# KiCad board IO256.kicad_pcb (continued)
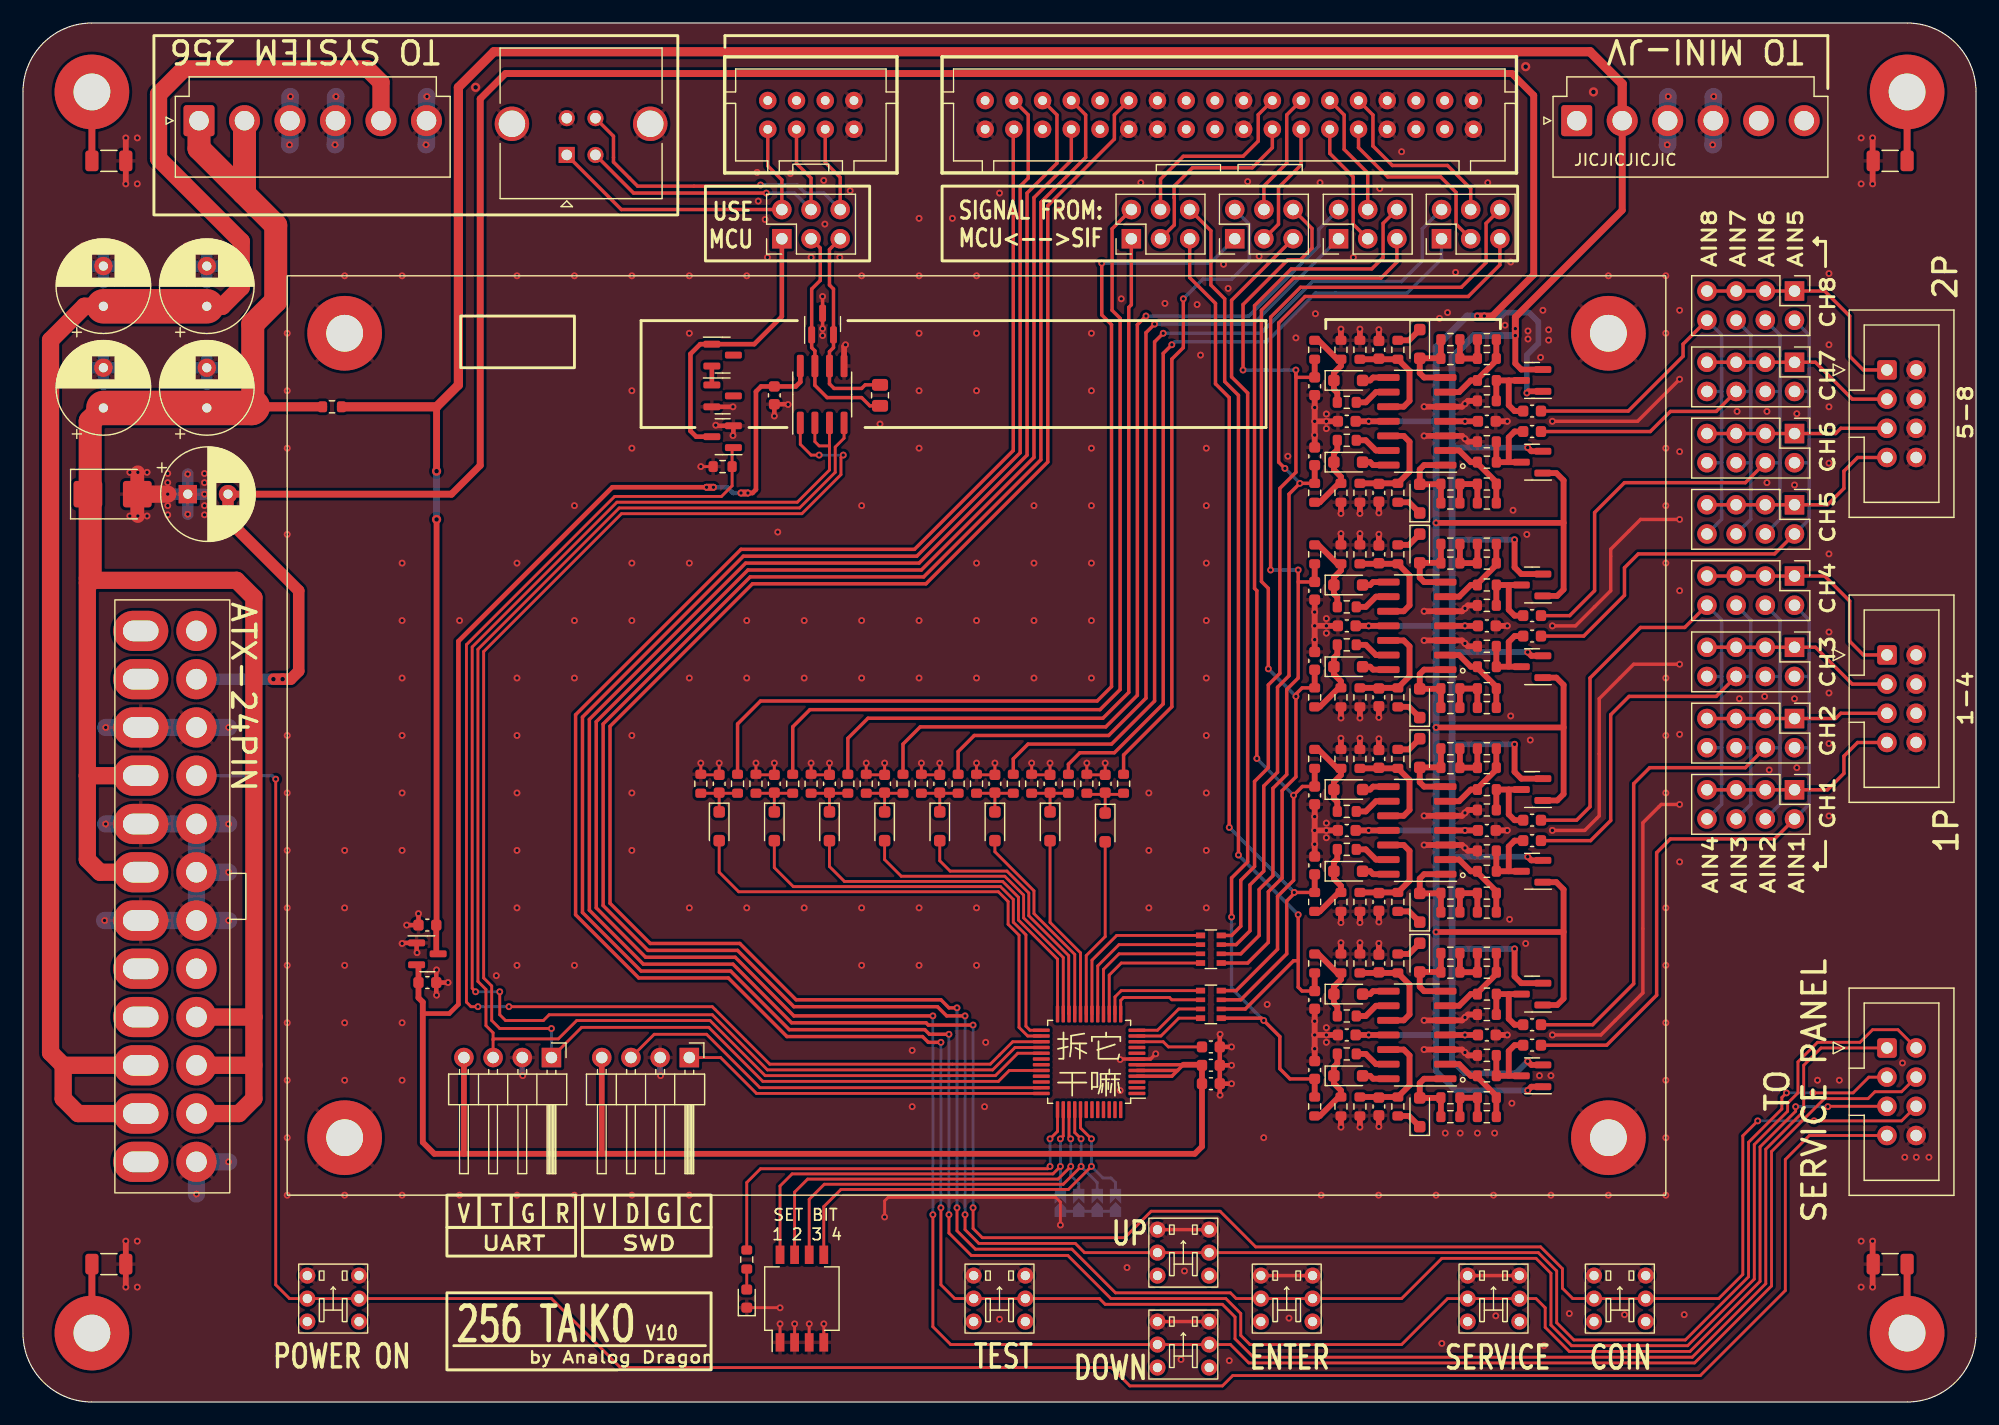
[diagram p0: board, top side]
## Footprints (pads in the part's own frame, mm; a bottom-side part is the same pattern mirrored in y, then rotated) (continued)
  round 6.5 hole 3.2: 1(-1,-1)
MountingHole_3.2mm_M3_DIN965_Pad#4
  round 6.5 hole 3.2: 1(1,1)
MountingHole_3.2mm_M3_DIN965_Pad#5
  round 6.5 hole 3.2: 1(1,-1)
PinHeader_1x04_P2.54mm_Horizontal
  rect 1.7x1.7 hole 1: 1(0,0)
  oval 1.7x1.7 hole 1: 2(0,-2.54) 3(0,-5.08) 4(0,-7.62)
PinHeader_2x03_P2.54mm_Vertical
  rect 1.7x1.7 hole 1: 1(0,0)
  oval 1.7x1.7 hole 1: 2(2.54,0) 3(0,-2.54) 4(2.54,-2.54) 5(0,-5.08) 6(2.54,-5.08)
PinHeader_2x04_P2.54mm_Vertical
  rect 1.7x1.7 hole 1: 1(0,0)
  oval 1.7x1.7 hole 1: 2(2.54,0) 3(0,-2.54) 4(2.54,-2.54) 5(0,-5.08) 6(2.54,-5.08) 7(0,-7.62) 8(2.54,-7.62)
R_0603_1608Metric
  rrect 0.8x0.95 smd: 1(-0.825,0) 2(0.825,0)
R_0805_2012Metric
  rrect 1.025x1.4 smd: 1(-0.912,0) 2(0.912,0)
R_Array_Convex_4x0603
  rect 0.8x0.5 smd: 1(-0.9,1.2) 4(-0.9,-1.2) 5(0.9,-1.2) 8(0.9,1.2)
  rect 0.8x0.4 smd: 2(-0.9,0.4) 3(-0.9,-0.4) 6(0.9,-0.4) 7(0.9,0.4)
SO-14_3.9x8.65mm_P1.27mm
  rrect 1.95x0.6 smd: 1(-2.475,3.81) 2(-2.475,2.54) 3(-2.475,1.27) 4(-2.475,0) 5(-2.475,-1.27) 6(-2.475,-2.54) 7(-2.475,-3.81) 8(2.475,-3.81) 9(2.475,-2.54) 10(2.475,-1.27) 11(2.475,0) 12(2.475,1.27) 13(2.475,2.54) 14(2.475,3.81)
SOIC-8_3.9x4.9mm_P1.27mm
  rrect 1.95x0.6 smd: 1(-2.475,1.905) 2(-2.475,0.635) 3(-2.475,-0.635) 4(-2.475,-1.905) 5(2.475,-1.905) 6(2.475,-0.635) 7(2.475,0.635) 8(2.475,1.905)
SOT-23
  rrect 1.475x0.6 smd: 1(-0.938,0.95) 2(-0.938,-0.95) 3(0.938,0)
SW_DIP_SPSTx04_Slide_Copal_CHS-04B_W7.62mm_P1.27mm
  rect 1.6x0.76 smd: 1(-3.81,1.905) 2(-3.81,0.635) 3(-3.81,-0.635) 4(-3.81,-1.905) 5(3.81,-1.905) 6(3.81,-0.635) 7(3.81,0.635) 8(3.81,1.905)
switch_6x6
  round 1.4 hole 0.8: 1(-2,-2.25) 2(0,-2.25) 3(2,-2.25) 4(-2,2.25) 5(0,2.25) 6(2,2.25)
USB_B_TE_5787834_Vertical
  rect 1.4x1.4 hole 0.92: 1(0,0)
  round 1.4 hole 0.92: 2(-2.5,0) 3(-2.5,-3.2) 4(0,-3.2)
  round 3 hole 2.3: 5(-7.27,-2.71) 5(4.77,-2.71)

## Nets
+3.3V: C13.1 C39.1 C42.1 C56.1 J17.4 J21.4 U1.2 U2.8 U6.4 U6.5 U6.6
+5V: C2.1 C36.2 C38.2 C44.2 C46.2 D10.2 D11.2 D12.2 D13.2 D23.2 D24.2 D25.2 D26.2 FB1.2 J3.2 U1.3 U3.4 U4.4 U5.4 U7.4
+5VP: C49.1 C50.1 D37.1 FB1.1 J6.4 J6.6 J6.21 J6.22 J6.23 J103.1 J103.2
+12V: C14.1 C48.1 J6.10 J6.11 J103.5
-12V: C37.1 C43.1 C45.1 C47.1 C51.2 D10.1 D11.1 D12.1 D13.1 D23.1 D24.1 D25.1 D26.1 J6.14 U3.11 U4.11 U5.11 U7.11
GND: C2.2 C6.1 C7.1 C8.1 C9.1 C10.1 C11.1 C12.1 C13.2 C14.2 C15.1 C17.1 C18.1 C19.1 C20.1 C24.1 C25.1 C26.1 C27.2 C28.2 C29.2 C30.2 C31.2 C32.2 C33.2 C34.2 C35.1 C36.1 C37.2 C38.1 C39.2 C40.2 C42.2 C43.2 C44.1 C45.2 C46.1 C47.2 C48.2 C49.2 C50.2 C51.1 C52.2 C53.2 C54.2 C55.2 C56.2 D5.3 D15.1 D35.2 D37.2 H1.1 J1.7 J1.8 J3.3 J3.4 J4.2 J4.12 J4.13 J4.14 J4.19 J4.20 J4.29 J4.30 J4.35 J4.36 J5.8 J6.3 J6.5 J6.7 J6.15 J6.17 J6.18 J6.19 J6.24 J7.2 J7.4 J7.6 J7.8 J8.2 J8.4 J8.6 J8.8 J17.2 J21.2 J102.4 J102.5 J103.3 J103.4 J103.6 JP1.1 JP2.1 JP3.1 JP4.1 Q2.2 R1.2 R2.1 R3.1 R4.1 R5.1 R6.2 R12.2 R13.2 R14.2 R15.1 R16.1 R17.1 R18.1 R56.1 R57.1 R58.1 R59.1 R64.2 R65.2 R66.2 R67.2 R68.2 R69.2 R70.2 R71.2 R96.1 R97.1 R98.1 R99.1 R104.2 R105.2 R106.2 R107.2 SW1.3 SW1.6 SW2.3 SW2.6 SW3.3 SW3.6 SW4.3 SW4.6 SW5.3 SW5.6 SW6.3 SW6.6 SW7.1 SW7.2 SW7.3 SW7.4 SW8.3 SW8.6 U1.1 U2.5 U3.3 U3.5 U4.3 U4.5 U5.3 U5.5 U6.7 U7.3 U7.5
1P_LEFT: J4.9
1P_RIGHT: J4.10
1P_START: J4.6
485_D+: J1.6 J22.6 J102.3
485_D-: J1.4 J22.4 J102.2
/JV PCB/485+: D5.2 J22.5 R11.2 U2.6
/JV PCB/485-: D5.1 J22.3 R11.1 U2.7
/JV PCB/SENSE: D36.1 J22.1 Q2.3
ADC1: C30.1 J19.5 R29.2 RN1.5
ADC2: C28.1 J18.6 R30.2 RN1.6
ADC3: C34.1 J18.5 R27.2 RN1.7
ADC4: C32.1 J20.6 R28.2 RN1.8
ADC5: C29.1 J20.5 R25.2 RN2.5
ADC6: C27.1 J23.6 R26.2 RN2.6
ADC7: C33.1 J23.5 R23.2 RN2.7
ADC8: C31.1 J19.6 R24.2 RN2.8
AIN0: C22.1 J9.2 J10.2 J11.2 J12.2
AIN1: C23.1 J9.4 J10.4 J11.4 J12.4
AIN2: C16.1 J9.6 J10.6 J11.6 J12.6
AIN3: C21.1 J9.8 J10.8 J11.8 J12.8
AIN4: C4.1 J13.2 J14.2 J15.2 J16.2
AIN5: C5.1 J13.4 J14.4 J15.4 J16.4
AIN6: C1.1 J13.6 J14.6 J15.6 J16.6
AIN7: C3.1 J13.8 J14.8 J15.8 J16.8
AN0: J4.24 J19.3
AN1: J4.21 J18.4
AN2: J4.22 J18.3
AN3: J4.25 J20.4
AN4: J4.26 J20.3
AN5: J4.27 J23.4
AN6: J4.28 J23.3
AN7: J4.23 J19.4
C.CNT1: J4.1
CH1: J7.7 J9.1 J9.3 J9.5 J9.7
CH2: J7.5 J10.1 J10.3 J10.5 J10.7
CH3: J7.3 J12.1 J12.3 J12.5 J12.7
CH4: J7.1 J11.1 J11.3 J11.5 J11.7
CH5: J8.7 J16.1 J16.3 J16.5 J16.7
CH6: J8.5 J15.1 J15.3 J15.5 J15.7
CH7: J8.3 J14.1 J14.3 J14.5 J14.7
CH8: J8.1 J13.1 J13.3 J13.5 J13.7
COIN1: J4.5 J5.6 SW3.2 SW3.5
DE: U2.2 U2.3 U6.28
ENTER: J4.11 J5.2 SW5.2 SW5.5
GOUT0: J4.15
GOUT1: J4.16
GOUT2: J4.17
GOUT3: J4.18
GOUT4: J4.31
GOUT5: J4.32
GOUT6: J4.33
GOUT7: J4.34
MCU1: D9.2 U6.26
MCU2: D8.2 U6.25
MCU3: D7.2 U6.24
MCU4: D6.2 U6.23
MCU5: D4.2 U6.22
MCU6: D3.2 U6.21
MCU7: D2.2 U6.20
MCU8: D1.2 U6.19
O1: J19.1 R22.1
O2: J18.2 R21.1
O3: J18.1 R20.1
O4: J20.2 R19.1
O5: J20.1 R10.1
O6: J23.2 R9.1
O7: J23.1 R8.1
O8: J19.2 R7.1
OPA1: D33.1 R29.1 R102.1 R106.1
OPA2: D34.1 R30.1 R103.1 R107.1
OPA3: D31.1 R27.1 R100.1 R104.1
OPA4: D32.1 R28.1 R101.1 R105.1
OPA5: D21.1 R25.1 R62.1 R66.1
OPA6: D22.1 R26.1 R63.1 R67.1
OPA7: D19.1 R23.1 R60.1 R64.1
OPA8: D20.1 R24.1 R61.1 R65.1
PW_ON: J5.7 J6.16 SW8.2 SW8.5
PWG: J6.8
RXD: J17.1 U2.1 U6.32
SEL_DOWN: J4.8 J5.4 SW6.2 SW6.5
SEL_UP: J4.7 J5.3 SW4.2 SW4.5
SENSE: J1.2 J22.2 J102.1
SENSE_IO: Q2.1 R12.1 U6.27
SERVICE: J4.3 J5.5 SW2.2 SW2.5
SET1: JP1.2 SW7.8 U6.38
SET2: JP2.2 SW7.7 U6.39
SET3: JP3.2 SW7.6 U6.40
SET4: JP4.2 SW7.5 U6.41
STA: R35.2 U6.37
SWCLK: J21.1 U6.36
SWDIO: J21.3 U6.35
TEST: J4.4 J5.1 SW1.2 SW1.5
TXD: J17.3 U2.4 U6.29
Net-(C1-Pad2): C1.2 D10.3 R1.1 R31.1
Net-(C3-Pad2): C3.2 D11.3 R6.1 R32.1
Net-(C4-Pad2): C4.2 D12.3 R13.1 R33.1
Net-(C5-Pad2): C5.2 D13.3 R14.1 R34.1
Net-(C16-Pad2): C16.2 D23.3 R68.1 R72.1
Net-(C21-Pad2): C21.2 D24.3 R69.1 R73.1
Net-(C22-Pad2): C22.2 D25.3 R70.1 R74.1
Net-(C23-Pad2): C23.2 D26.3 R71.1 R75.1
Net-(C52-Pad1): C52.1 H2.1
Net-(C53-Pad1): C53.1 H3.1
Net-(C54-Pad1): C54.1 H4.1
Net-(C55-Pad1): C55.1 H5.1
Net-(D1-K): C6.2 D1.1 R2.2 R7.2
Net-(D2-K): C7.2 D2.1 R3.2 R8.2
Net-(D3-K): C8.2 D3.1 R4.2 R9.2
Net-(D4-K): C9.2 D4.1 R5.2 R10.2
Net-(D6-K): C17.2 D6.1 R15.2 R19.2
Net-(D7-K): C18.2 D7.1 R16.2 R20.2
Net-(D8-K): C19.2 D8.1 R17.2 R21.2
Net-(D9-K): C20.2 D9.1 R18.2 R22.2
Net-(D14-A): D14.2 R44.2 R45.2 U3.1
Net-(D14-K): D14.1 R52.1
Net-(D15-A): D15.2 R35.1
Net-(D16-A): D16.2 R46.2 R47.2 U3.7
Net-(D16-K): D16.1 R53.1
Net-(D17-A): D17.2 R48.2 R49.2 U4.1
Net-(D17-K): D17.1 R54.1
Net-(D18-A): D18.2 R50.2 R51.2 U4.7
Net-(D18-K): D18.1 R55.1
Net-(D19-A): D19.2 U3.14
Net-(D20-A): D20.2 U3.8
Net-(D21-A): D21.2 U4.14
Net-(D22-A): D22.2 U4.8
Net-(D27-A): D27.2 R84.2 R85.2 U5.1
Net-(D27-K): D27.1 R92.1
Net-(D28-A): D28.2 R86.2 R87.2 U5.7
Net-(D28-K): D28.1 R93.1
Net-(D29-A): D29.2 R88.2 R89.2 U7.1
Net-(D29-K): D29.1 R94.1
Net-(D30-A): D30.2 R90.2 R91.2 U7.7
Net-(D30-K): D30.1 R95.1
Net-(D31-A): D31.2 U5.14
Net-(D32-A): D32.2 U5.8
Net-(D33-A): D33.2 U7.14
Net-(D34-A): D34.2 U7.8
Net-(D35-Pad1): D35.1 D36.2
Net-(R36-Pad2): R36.2 R37.2 R44.1 R45.1
Net-(R38-Pad2): R38.2 R39.2 R46.1 R47.1
Net-(R40-Pad2): R40.2 R41.2 R48.1 R49.1
Net-(R42-Pad2): R42.2 R43.2 R50.1 R51.1
Net-(R76-Pad2): R76.2 R77.2 R84.1 R85.1
Net-(R78-Pad2): R78.2 R79.2 R86.1 R87.1
Net-(R80-Pad2): R80.2 R81.2 R88.1 R89.1
Net-(R82-Pad2): R82.2 R83.2 R90.1 R91.1
Net-(RN1-R1.1): RN1.1 U6.14
Net-(RN1-R2.1): RN1.2 U6.13
Net-(RN1-R3.1): RN1.3 U6.12
Net-(RN1-R4.1): RN1.4 U6.11
Net-(RN2-R1.1): RN2.1 U6.18
Net-(RN2-R2.1): RN2.2 U6.17
Net-(RN2-R3.1): RN2.3 U6.16
Net-(RN2-R4.1): RN2.4 U6.15
Net-(U3A--): R31.2 R36.1 R37.1 U3.2
Net-(U3B--): R32.2 R38.1 R39.1 U3.6
Net-(U3C-+): C11.2 R53.2 R57.2 U3.10
Net-(U3C--): R61.2 U3.9
Net-(U3D-+): C10.2 R52.2 R56.2 U3.12
Net-(U3D--): R60.2 U3.13
Net-(U4A--): R33.2 R40.1 R41.1 U4.2
Net-(U4B--): R34.2 R42.1 R43.1 U4.6
Net-(U4C-+): C15.2 R55.2 R59.2 U4.10
Net-(U4C--): R63.2 U4.9
Net-(U4D-+): C12.2 R54.2 R58.2 U4.12
Net-(U4D--): R62.2 U4.13
Net-(U5A--): R72.2 R76.1 R77.1 U5.2
Net-(U5B--): R73.2 R78.1 R79.1 U5.6
Net-(U5C-+): C25.2 R93.2 R97.2 U5.10
Net-(U5C--): R101.2 U5.9
Net-(U5D-+): C24.2 R92.2 R96.2 U5.12
Net-(U5D--): R100.2 U5.13
Net-(U6-NRST): C40.1 U6.10
Net-(U7A--): R74.2 R80.1 R81.1 U7.2
Net-(U7B--): R75.2 R82.1 R83.1 U7.6
Net-(U7C-+): C35.2 R95.2 R99.2 U7.10
Net-(U7C--): R103.2 U7.9
Net-(U7D-+): C26.2 R94.2 R98.2 U7.12
Net-(U7D--): R102.2 U7.13

Pads without a net: D35 3; D36 3; J1 1 3 5; J3 1 5 6; J6 1 2 9 12 13 20; SW1 1 4; SW2 1 4; SW3 1 4; SW4 1 4; SW5 1 4; SW6 1 4; SW8 1 4; U6 1 2 3 8 9 30 31 33 34 42 43 44 45 46 47 48

## Via types
v1: diameter 0.6, hole 0.3, Top to Bottom, 489 vias
v2: diameter 0.61, hole 0.305, Top to Bottom, 65 vias
v3: diameter 0.8, hole 0.4, Top to Bottom, 7 vias

## Routing (per net, layer and track width the routed paths; a pad name or vN(x,y) marks a point on that pad's centre or on a via; arc(x,y) is an arc through that point)
+3.3V: length 203.8
  Top w0.25: 102.57,29.35 C42.1
  Top w0.3: 100.5,28.85 100,28.35 U6.4 ; 100.5,28.85 U6.5 ; 100.5,28.85 101,29.35 U6.6
  Top w0.4: v1(59.5,79.6) 51.3,79.6 37.9,66.2 37.9,34.6 37.1,33.8 34.8,33.8 ; v1(63.1,79.1) 63.5,79.1 63.8,79.4 63.8,87.92 64.25,88.38 C56.1 67.28,88.38 67.66,88.76 U2.8
  Top w0.5: 38.4,21.6 35.8,21.6 34.8,22.6 34.8,34.8 34.42,35.17 34.42,37.89 U1.2 ; 38.4,21.6 102,21.6 102.62,22.22 C39.1 C42.1 ; 38.4,21.6 38.38,21.62 J17.4 ; J21.4 50.38,21.62 ; 101,29.35 102.57,29.35
  Top w0.6: v1(63.1,79.1) v1(62.5,79.1) ; v1(60.1,79.6) v1(59.5,79.6)
  Bottom w0.4: v1(62.5,79.1) 61.8,79.1 61.3,79.6 v1(60.1,79.6)
  Bottom w0.6: v1(62.5,79.1) v1(63.1,79.1) ; v1(59.5,79.6) v1(60.1,79.6)
+5V: length 368.5
  Top w0.4: 35.98,39.16 U1.3
  Top w0.5: 35.98,39.16 C2.1 36,41.53 v3(36,76.8)
  Top w0.508: U5.4 v2(125.52,49.74) C44.2 ; D24.2 130.42,54.25 129.83,54.83 v2(129.83,57.23) ; U4.4 v2(125.52,67.54) C38.2 ; U7.4 v2(125.52,31.94) C46.2 ; v2(129.9,92.8) 129.9,90.36 130.42,89.85 D11.2 ; D12.2 131.3,64.93 v2(130.98,65.25) ; D13.2 130.42,72.05 129.83,72.63 v2(129.83,75.03) ; v2(130.98,47.45) 131.3,47.13 D23.2 ; v2(130.98,29.65) 131.3,29.33 D25.2 ; C36.2 v2(125.52,85.34) U3.4 ; v2(130.98,83.05) 131.3,82.73 D10.2 ; D26.2 130.42,36.45 129.83,37.03 v2(129.83,39.43)
  Top w0.6: J3.2 139.2,103.7 129.9,94.4 v1(129.9,93.4) v2(129.9,92.8) ; 36,86.6 v3(36,81)
  Top w0.8: FB1.2 36,86.6 37.9,88.5 37.9,114.4 41,117.5 136.4,117.5 139.2,114.7 J3.2
  Bottom w0.508: v2(130.98,65.25) 124.45,65.25 124.4,65.3 ; v2(129.83,75.03) 124.43,75.03 124.4,75 ; 124.4,83.1 124.45,83.05 v2(130.98,83.05) ; 124.4,84.7 124.4,85.3 124.44,85.34 v2(125.52,85.34) ; v2(129.83,39.43) 124.43,39.43 124.4,39.4 ; v2(130.98,47.45) 124.45,47.45 124.4,47.5 ; v2(125.52,67.54) 124.44,67.54 124.4,67.5 ; 124.4,57.2 124.43,57.23 v2(129.83,57.23) ; 124.4,49.7 124.44,49.74 v2(125.52,49.74) ; v2(130.98,29.65) 129.92,28.6 125.5,28.6 124.4,29.7 124.4,32.1 124.56,31.94 v2(125.52,31.94)
  Bottom w0.6: 124.4,32.1 124.4,90.9 126.3,92.8 v2(129.9,92.8) v1(129.9,93.4) ; v3(36,81) v3(36,76.8)
+5VP: length 177.6
  Top w0.8: 26.08,86.6 20,86.6
  Top w1.5: J6.21 20.1,33.5 ; 20.1,33.5 20.1,70 18.6,71.5 6,71.5 5.9,71.6 5.6,71.3 5.6,54.5 ; 20.1,33.5 20.1,26.4 18.8,25.1 J6.23 ; 5.6,54.5 5.6,47.2 6.7,46.1 J6.6 ; 5.6,54.5 J6.4 ; J6.22 20.1,29.3
  Top w2: 19.2,105.2 19.28,105.28 J103.2 ; J103.1 15.32,109.08 22,102.4 22,95.8 20,93.8 20,86.6 ; 5.9,71.6 5.85,71.65 5.85,85.35 C49.1
  Top w3: C49.1 19.9,86.5 20,86.6
+12V: length 142.9
  Top w1.5: J6.11 4.8,25.1 3.5,26.4 3.5,29.3 ; J103.5 31.16,114.84 30,116 14,116 11.8,113.8 11.8,108.2 19,101 19,97 17.35,95.35 C48.1 ; C14.1 5.35,95.35 2.4,92.4 2.4,30.4 3.5,29.3 ; 3.5,29.3 J6.10
  Top w3: C14.1 C48.1
-12V: length 398.8
  Top w0.5: v1(123,40.9) 134.1,40.9 134.1,35.1 133.55,34.55 D26.1 ; v1(130.9,87.8) 131.05,87.95 D11.1 ; D24.1 133.55,52.35 134.1,52.9 134.1,58.7 v1(123,58.7) ; D13.1 133.55,70.15 134.1,70.7 134.1,76.5 v1(123,76.5)
  Top w0.508: D25.1 131.3,27.43 v2(130.98,27.11) ; D12.1 133.47,63.03 134.1,62.4 134.1,58.7 ; U4.11 v2(117.13,67.54) C43.1 ; U5.11 v2(117.13,49.74) C45.1 ; D10.1 133.47,80.83 134.1,80.2 134.1,76.5 ; D23.1 133.47,45.23 134.1,44.6 134.1,40.9 ; C47.1 v2(117.13,31.94) U7.11 ; C37.1 v2(117.13,85.34) U3.11
  Top w0.6: C51.2 37.3,79 39.8,81.5 39.8,113.4 42,115.6 129.6,115.6 131.5,113.7 131.5,98.1 127.9,94.5 v1(127.2,94.5) v1(126.6,94.5)
  Top w1: C51.2 17.85,76.75 24,70.6 24,63.6 23.3,62.9 v3(22.6,62.9) v3(21.8,62.9)
  Bottom w0.5: v1(127.2,94.5) 128.7,94.5 129,94.8 131.1,94.8 131.9,94 131.9,92.1 130.9,91.1 v1(130.9,87.8)
  Bottom w0.508: 123,49.74 v2(117.13,49.74) ; v2(117.13,85.34) 123,85.34 ; v2(130.98,27.11) 124.69,27.11 123,28.8 123,31.94 v2(117.13,31.94) ; 123,67.54 v2(117.13,67.54)
  Bottom w0.6: 123,31.94 v1(123,40.9) v1(123,58.7) v1(123,76.5) 123,91.8 125.7,94.5 v1(127.2,94.5)
  Bottom w1: J6.14 v3(22.6,62.9)
GND: length 414.8
  Top w0.25: v1(75,55.6) C17.1 73.45,54.58 R15.1 v1(73.4,55.6) ; v1(89.4,55.6) C7.1 87.85,54.58 R3.1 v1(87.8,55.6) ; v1(79.8,55.6) C9.1 78.25,54.58 R5.1 v1(78.2,55.6) ; R12.2 v1(59,81.4) ; D15.1 65.89,8.21 v1(65.9,8.2) ; v1(65.4,55.6) C19.1 63.85,54.58 R17.1 v1(63.8,55.6) ; v1(67.17,6.8) 67.17,6.79 SW7.2 ; v1(83,55.6) R4.1 83.05,54.58 C8.1 v1(84.6,55.6) ; v1(60.6,55.6) C20.1 59.05,54.58 R18.1 v1(59,55.6) ; v1(75,16.1) 75,17.5 75.3,17.8 89.9,17.8 90.3,17.4 v1(90.3,15.4) ; v1(69.71,6.8) 69.7,6.79 SW7.4 ; v1(94.2,55.6) C6.1 92.65,54.58 R2.1 v1(92.6,55.6) ; v1(68.44,6.8) 68.44,6.79 SW7.3 ; v1(70.2,55.6) C18.1 68.65,54.58 R16.1 v1(68.6,55.6) ; SW7.1 65.89,6.79 v1(65.9,6.8)
  Top w0.3: v1(144.2,89) 140.54,85.34 v2(133.12,85.34) ; v2(133.12,49.74) 135.94,49.74 137.2,51 137.2,61.2 140.2,64.2 v1(144.2,64.2) ; SW6.6 SW6.3 ; v1(69.6,93.4) D5.3 v1(69.6,96.2) ; v2(133.12,67.54) 135.14,67.54 138.2,70.6 138.2,74.2 140.8,76.8 v1(144.2,76.8) ; v1(95.5,29.8) 95.55,29.85 U6.7 98.15,29.85 v1(98.6,30.3) ; SW5.6 SW5.3 ; SW2.6 SW2.3 ; v1(144.2,52) 142.6,52 141,50.4 141,35.6 137.34,31.94 v2(133.12,31.94) ; SW4.6 SW4.3
  Top w0.4: v1(36,35.4) 35.98,35.42 C13.2 ; C40.2 104.18,31.97 v1(104.2,32) ; C40.2 v1(105.2,30.9) ; C40.2 C39.2 ; C39.2 v1(105.2,27.7) ; C39.2 104.18,26.72 v1(104.2,26.7) ; v1(33.4,41.5) 34.42,41.5 v1(34.42,42.5) ; v1(60.3,85) 60.35,84.95 Q2.2 61.84,84.14 v1(61.8,84.1) ; v1(65.4,85.8) C56.2 66.58,86.83 v1(66.6,86.8) ; C13.2 35.98,37.58 v1(36,37.6) ; C13.2 v1(37,36.5) ; C42.2 v1(105.2,29.3) ; v1(33,39.9) 33.05,39.95 U1.1 34.26,39.14 v1(34.3,39.1) ; D35.2 v1(61.8,86.6)
  Top w0.5: v1(161,110) v1(161,106) ; v1(8.95,106) v1(8.95,110) ; v1(71.6,92) 71.47,91.87 U2.5 ; v1(8.95,10) v1(8.95,14) ; v1(161,14) v1(161,10)
  Top w0.508: v2(121.96,30.67) U7.3 125.26,30.67 v2(125.52,30.42) 125.77,30.16 R70.2 ; R96.1 v1(116.37,41.72) ; R65.2 v1(114.72,93.36) ; C29.2 v2(112.44,66.34) v2(112.44,67.54) ; C26.1 v1(118.02,23.97) ; R99.1 v1(116.37,39.96) ; R107.2 v1(114.72,39.96) ; v2(121.96,84.07) U3.3 125.26,84.07 v2(125.52,83.82) 125.77,83.56 R1.2 ; v2(112.44,49.74) v2(113.45,49.74) C45.2 ; v2(112.44,49.74) v2(112.44,48.54) C34.2 ; v2(112.44,49.74) v2(112.44,50.94) C32.2 ; v2(112.44,67.54) v2(112.44,68.74) C27.2 ; v2(112.44,67.54) v2(113.45,67.54) C43.2 ; R98.1 v1(116.37,23.92) ; R105.2 v1(114.72,57.76) ; C47.2 v2(113.45,31.94) v2(112.44,31.94) ; R14.2 125.77,69.32 v2(125.52,69.06) 125.26,68.81 U4.5 v2(121.96,68.81) ; v2(112.44,31.94) v2(112.44,33.14) C28.2 ; v2(112.44,31.94) v2(112.44,30.74) C30.2 ; R57.1 v1(116.37,93.36) ; R13.2 125.77,65.76 v2(125.52,66.02) 125.26,66.27 U4.3 v2(121.96,66.27) ; v2(112.44,85.34) v2(112.44,86.54) C31.2 ; v2(112.44,85.34) v2(113.45,85.34) C37.2 ; v2(112.44,85.34) v2(112.44,84.14) C33.2 ; v2(121.96,48.47) U5.3 125.26,48.47 v2(125.52,48.22) 125.77,47.96 R68.2 ; R56.1 v1(116.37,77.32) ; R104.2 v1(114.72,41.72) ; v2(121.96,86.61) U3.5 125.26,86.61 v2(125.52,86.86) 125.77,87.12 R6.2 ; R59.1 v1(116.37,75.56) ; C44.1 v2(129.2,49.74) ; C46.1 v2(129.2,31.94) ; C36.1 v2(129.2,85.34) ; R97.1 v1(116.37,57.76) ; C12.1 v1(118.02,59.57) ; v2(121.96,51.01) U5.5 125.26,51.01 v2(125.52,51.26) 125.77,51.52 R69.2 ; R106.2 v1(114.72,23.92) ; R58.1 v1(116.37,59.52) ; C25.1 v1(118.02,57.71) ; v2(121.96,33.21) U7.5 125.26,33.21 v2(125.52,33.46) 125.77,33.72 R71.2 ; C24.1 v1(118.02,41.77) ; C10.1 v1(118.02,77.37) ; C35.1 v1(118.02,39.91) ; C15.1 v1(118.02,75.51) ; R64.2 v1(114.72,77.32) ; C38.1 v2(129.2,67.54) ; R66.2 v1(114.72,59.52) ; C11.1 v1(118.02,93.31) ; R67.2 v1(114.72,75.56)
  Top w1.2: v1(10,77.1) 9.95,77.15 D37.2 9.95,80.85 v1(10,80.9)
  Top w1.5: D37.2 v1(12.6,79)
  Bottom w0.25: v1(90.3,15.4) JP1.1 JP4.1
  Bottom w0.5: J21.2 55.46,28.44 v1(55.5,28.4) ; v1(43.5,28.4) 43.46,28.44 J17.2
  Bottom w1: C51.1 v1(12.6,79) ; C51.1 v1(14.35,80.75) ; C51.1 v1(14.35,77.25) ; C51.1 v1(15.8,79) ; C48.2 v1(17.4,98.85) ; C48.2 v1(16,100.59) ; C48.2 v1(16,97.39) ; C48.2 v1(14.25,98.85) ; C49.2 v1(8.75,90) ; C49.2 v1(7,91.75) ; C49.2 v1(7,88.55) ; C49.2 v1(5.25,90) ; C50.2 v1(16,88.55) ; C50.2 v1(16,91.75) ; C50.2 v1(14.25,90) ; C50.2 v1(17.75,90) ; C14.2 v1(5.25,98.85) ; C14.2 v1(8.75,98.85) ; C14.2 v1(7,100.59) ; C14.2 v1(7,97.39)
  Bottom w1.5: v1(23.2,109.4) 23.24,109.44 J103.3 23.24,113.56 v1(23.28,113.6) ; v1(17.9,58.7) J6.15 J6.3 v1(7.2,58.7) ; J6.17 J6.5 v1(7.2,50.3) ; J6.17 J6.18 ; J6.17 v1(17.9,50.3) ; v1(17.9,20.9) J6.24 v1(15.1,18.1) ; v1(35.08,109.4) 35.12,109.44 J103.6 35.12,113.56 v1(35.16,113.6) ; v1(147.16,113.6) 147.12,113.56 J3.4 147.12,109.44 v1(147.08,109.4) ; J6.19 v1(17.9,41.9) ; J6.19 J6.18 ; J6.19 J6.7 v1(7.1,41.9) ; v1(27.24,113.6) 27.2,113.56 J103.4 27.2,109.44 v1(27.16,109.4) ; J6.18 v1(17.9,46.1) ; v1(143.21,113.6) 143.16,113.56 J3.3 143.16,109.44 v1(143.12,109.4)
  vias: v1(5.2,100.59) v1(5.2,97.39) v1(5.2,91.75) v1(5.2,88.55) v1(6,100.59) v1(6,97.39) v1(6,91.75) v1(6,88.55) v1(8,100.59) v1(8,97.39) v1(8,91.75) v1(8,88.55) v1(8.8,100.59) v1(8.8,97.39) v1(8.8,91.75) v1(8.8,88.55) v1(9.3,80.9) v1(9.3,77.1) v1(9.95,110) v1(9.95,106) v1(9.95,14) v1(9.95,10) v1(10.8,80.9) v1(10.8,77.1) v1(12.6,80.8) v1(12.6,80) v1(12.6,78) v1(12.6,77.2) v1(14.2,100.59) v1(14.2,97.39) v1(14.2,91.75) v1(14.2,88.55) v1(15,100.59) v1(15,97.39) v1(15,91.75) v1(15,88.55) v1(15.8,80.8) v1(15.8,80) v1(15.8,78) v1(15.8,77.2) v1(17,100.59) v1(17,97.39) v1(17,91.75) v1(17,88.55) v1(17.8,91.75) v1(17.8,88.55) v1(23,93) v1(23,88) v1(23,83) v1(23,75.5) v1(23,58) v1(23,53) v1(23,48) v1(23,43) v1(23,38) v1(23,33) v1(23,28) v1(23,23) v1(23,18) v1(28,98) v1(28,48) v1(28,43) v1(28,38) v1(28,33) v1(28,28) v1(28,18) v1(33,98) v1(33,73) v1(33,68) v1(33,63) v1(33,58) v1(33,53) v1(33,48) v1(33,33) v1(33,28) v1(33,18) v1(38,68) v1(38,18) v1(41.2,37.1) v1(43,98) v1(43,73) v1(43,63) v1(43,58) v1(43,53) v1(43,48) v1(43,43) v1(43,38) v1(43,18) v1(48,98) v1(48,78) v1(48,68) v1(48,63) v1(48,38) v1(48,18) v1(53,98) v1(53,88) v1(53,83) v1(53,73) v1(53,68) v1(53,58) v1(53,53) v1(53,48) v1(53,18) v1(58,98) v1(58,93) v1(58,73) v1(58,63) v1(58,43) v1(58,18) v1(63,98) v1(63,68) v1(63,63) v1(63,43) v1(63.9,107) v1(64,104.5) v1(64.6,102.9) v1(64.8,99.6) v1(65.7,75.7) v1(66.8,106.9) v1(68,68) v1(68,63) v1(68,43) v1(68.6,99.6) v1(69.6,92.8) v1(69.7,106.3) v1(69.8,102.5) v1(71.1,99.6) v1(72,105.4) v1(73,98) v1(73,78) v1(73,68) v1(73,63) v1(73,43) v1(73,38) v1(74.6,85.1) v1(77.4,30.6) v1(77.4,25.7) v1(78,103) v1(78,98) v1(78,93) v1(78,88) v1(78,83) v1(78,68) v1(78,63) v1(78,43) v1(78,38) v1(80.9,103) v1(83,98) v1(83,93) v1(83,88) v1(83,73) v1(83,68) v1(83,63) v1(83,43) v1(83,38) v1(83.7,25.7) v1(83.8,31.3) v1(85,105.2) v1(85,7.2) v1(88,78) v1(88,73) v1(88,68) v1(88,63) v1(90.2,103.7) v1(93,93) v1(93,88) v1(93,83) v1(93,78) v1(93,73) v1(93,68) v1(93,63) v1(95.5,27.1) v1(95.6,96) v1(96.1,11.7) v1(97.3,106.1) v1(98,53) v1(98,48) v1(98,43) v1(99.4,95.6) v1(100.8,3.7) v1(101.1,11.4) v1(102.2,95.5) v1(102.5,91.1) v1(103,83) v1(103,78) v1(103,73) v1(103,68) v1(103,63) v1(103,58) v1(103,53) v1(103,48) v1(103,43) v1(104.5,99) v1(104.9,96.9) v1(105,3.6) v1(106.6,106.2) v1(107.6,99.7) v1(108,23) v1(108.3,34.6) v1(110.1,82.3) v1(110.2,7.3) v1(110.8,92.6) v1(112.5,94.7) v1(112.9,106.1) v1(113,18) v1(115.8,99.6) v1(118,18) v1(118.1,105.6) v1(120,108.8) v1(123,18) v1(123.3,94.3) v1(123.5,5.1) v1(123.8,23.4) v1(124,94.8) v1(124.7,98.3) v1(125.1,23.4) v1(126.6,23.4) v1(127.5,106.1) v1(128,18) v1(128.1,23.4) v1(128.2,7.5) v1(129,93.7) v1(129.4,42) v1(129.5,99.2) v1(129.5,59.7) v1(129.6,26) v1(129.7,77.6) v1(130.8,39.9) v1(130.9,75.5) v1(131,93.2) v1(131,92.5) v1(131.2,57.6) v1(132,28.4) v1(132.1,90.9) v1(132.3,95) v1(132.4,4.9) v1(132.8,93.3) v1(132.8,92.4) v1(133,28.4) v1(133,18) v1(134.6,7.7) v1(138,98) v1(138,18) v1(139.4,7.6) v1(143,98) v1(143,93) v1(143,83) v1(143,78) v1(143,73) v1(143,63) v1(143,58) v1(143,53) v1(143,43) v1(143,38) v1(143,33) v1(143,28) v1(143,23) v1(143,18) v1(144.2,95) v1(144.2,82.7) v1(144.2,70.6) v1(144.2,58.1) v1(144.2,47) v1(144.6,7.6) v1(149.2,86.2) v1(149.4,61.2) v1(151.6,61.4) v1(151.8,86.2) v1(151.8,80) v1(152,55) v1(154.2,79.8) v1(154.2,61.2) v1(154.4,86) v1(154.4,55.2) v1(156.2,28) v1(157.2,98.2) v1(157.2,92) v1(157.2,86.6) v1(157.2,81.7) v1(157.2,73.8) v1(157.2,67) v1(157.2,61.7) v1(157.2,57.3) v1(157.2,51) v1(158.1,28) v1(160,110) v1(160,106) v1(160,14) v1(160,10) v1(163.6,29.5) v1(163.8,21.3) v1(164.8,21.3) v1(165.9,21.3) v2(113.45,85.97) v2(113.45,84.7) v2(113.45,68.17) v2(113.45,66.91) v2(113.45,50.38) v2(113.45,49.11) v2(113.45,32.58) v2(113.45,31.31) v3(39.4,114.4) v3(130.8,116.2) v3(136.7,114)
485_D+: length 33.5
  Top w0.3: J22.6 71.14,106.56 69.83,107.87 J1.6 ; v1(64.2,105.9) 64.1,105.8 53.5,105.8 51.4,107.9 51.4,110.15 J102.3
  Bottom w0.3: J22.6 69.7,105.2 68.1,105.2 67.4,105.9 v1(64.2,105.9)
485_D-: length 28.2
  Top w0.3: J22.4 68.59,106.5 67.33,107.77 J1.4 ; J102.2 53.15,105.2 v1(64.7,105.2)
  Bottom w0.3: J22.4 67.16,105.2 v1(64.7,105.2)
/JV PCB/485+: length 18
  Top w0.3: R11.2 73.31,88.51 73,88.2 70.6,88.2 70.2,88.6 U2.6 70.2,91.4 70.55,91.75 D5.2 70.55,96.85 70.2,97.2 70.2,100.29 J22.5
/JV PCB/485-: length 19.9
  Top w0.3: J22.3 69.4,100.42 69.4,97.6 68.65,96.85 D5.1 68.65,91.75 68.93,91.47 U2.7 68.93,88.47 70,87.4 73,87.4 73.71,86.69 R11.1
/JV PCB/SENSE: length 24.8
  Top w0.4: J22.1 66.06,94.45 63.65,92.05 D36.1 58.95,92.05 58.1,91.2 58.1,84.5 58.6,84 Q2.3
ADC1: length 86.1
  Top w0.3: J19.5 105.2,95.87 105.2,89.2 106.6,87.8 106.6,47 105.2,45.6 v1(105.2,42.2) ; RN1.5 107.8,33.4 v1(108,33.2) 109.4,31.8 109.4,29 110.28,28.12 C30.1
  Top w0.508: R29.2 C30.1
  Bottom w0.3: v1(105.2,42.2) 105.2,36 v1(108,33.2)
ADC2: length 83.2
  Top w0.3: v1(105.8,47.6) 105.8,87.6 104.6,88.8 104.6,96 103.4,97.2 103.4,101.92 J18.6 ; C28.1 111.34,35.76 111,36.1 111,38.4 ; RN1.6 106.4,34.2 110.6,38.4 111,38.4 ; 111,38.4 v1(111,42.4)
  Top w0.508: R30.2 C28.1
  Bottom w0.3: v1(105.8,47.6) v1(111,42.4)
ADC3: length 76.9
  Top w0.3: v1(105,50) 105,87.4 103.8,88.6 103.8,95.6 101.56,97.84 J18.5 ; v1(110.66,44.34) R27.2 ; RN1.7 106,35 110,39 110,43.6 110.66,44.26
  Top w0.508: R27.2 C34.1
  Bottom w0.3: v1(105,50) v1(110.66,44.34)
ADC4: length 85.7
  Top w0.3: J20.6 118.39,102.56 118.39,99.59 117.4,98.6 110.4,98.6 107.2,95.4 107.2,70.8 107.4,70.6 v1(107.4,56) ; RN1.8 105.6,35.8 109.2,39.4 109.2,44 110.6,45.4 v1(110.6,52.8) 111.36,53.56 C32.1
  Top w0.508: R28.2 C32.1
  Bottom w0.3: v1(107.4,56) v1(110.6,52.8)
ADC5: length 81.2
  Top w0.3: 108.4,63.86 108.4,70.8 107.8,71.4 107.8,95 110.6,97.8 118.2,97.8 119.59,99.19 J20.5 ; RN2.5 106.6,38.2 108.4,40 108.4,44.4 109.6,45.6 109.6,53.2 110.8,54.4 v1(110.8,61.4) 110.8,61.6 111.34,62.14 R25.2
  Top w0.508: R25.2 C29.1
  Bottom w0.3: v1(108.4,63.8) v1(110.8,61.4)
ADC6: length 90.4
  Top w0.3: J23.6 127.35,102.56 127.35,99.16 125.2,97 111.2,97 108.6,94.4 v1(108.6,72.4) ; v1(111,72.4) 111,63 110,62 110,54.6 108.8,53.4 108.8,45.8 107.6,44.6 107.6,40.6 106,39 RN2.6 ; 111,71.36 C27.1
  Top w0.508: R26.2 C27.1
  Bottom w0.3: v1(108.6,72.4) v1(111,72.4)
ADC7: length 84.9
  Top w0.3: 109.8,81.28 109.3,81.78 109.3,93.9 111.6,96.2 125.8,96.2 128.56,98.95 J23.5 ; RN2.7 105.6,39.8 106.8,41 106.8,45 108,46.2 108,53.6 109.2,54.8 109.2,62.2 110.2,63.2 110.2,79 v1(111.14,79.94) R23.2
  Top w0.508: R23.2 C33.1
  Bottom w0.3: v1(109.84,81.24) v1(111.14,79.94)
ADC8: length 78.6
  Top w0.3: v1(106.2,89.8) 106.2,95.5 110.1,99.4 111.2,99.4 112.2,100.4 112.2,102.12 J19.6 ; RN2.8 105.2,40.6 106,41.4 106,45.4 107.2,46.6 107.2,54 108.4,55.2 108.4,62.4 109.4,63.4 109.4,79.5 110.8,80.9 v1(110.8,89.8) 110.8,89.2 110.84,89.16 C31.1
  Top w0.508: R24.2 C31.1
  Bottom w0.3: v1(106.2,89.8) v1(110.8,89.8)
AIN0: length 59.7
  Top w0.3: C22.1 137.85,31.05 142.2,35.4 142.2,47.8 143.4,49 152.47,49 J9.2
  Bottom w0.3: 155.48,63.14 155.48,68.06 J11.2 ; 155.48,63.14 155.48,56.93 ; 155.48,63.14 155.47,63.14 154.2,63.14 ; 154.2,56.94 155.47,56.94 155.48,56.93 ; 155.48,56.93 155.48,52.01 J9.2
AIN1: length 61.9
  Top w0.3: 151.66,56.94 149.93,55.2 141.6,55.2 140.2,53.8 140.2,36.4 136.63,32.83 C23.1
  Bottom w0.3: 151.66,56.94 152.93,56.94 152.94,56.93 ; 152.94,63.14 152.94,68.06 J11.4 ; 152.94,63.14 152.93,63.14 151.66,63.14 ; 152.94,63.14 152.94,56.93 ; 152.94,56.93 152.94,52.01 J9.4
AIN2: length 50.5
  Top w0.3: 149.12,63.14 147.38,61.4 139.8,61.4 138.2,59.8 138.2,50.6 136.45,48.85 C16.1
  Bottom w0.3: 150.4,63.14 150.4,56.93 ; 150.4,63.14 150.4,68.06 J11.6 ; 150.4,63.14 150.39,63.14 149.12,63.14 ; 150.4,56.93 150.39,56.94 149.12,56.94 ; 150.4,56.93 150.4,52.01 J9.6
AIN3: length 51
  Top w0.3: C21.1 135.23,50.63 136.4,51.8 136.4,63 140.8,67.4 144.65,67.4 J11.8
  Bottom w0.3: 147.86,56.93 147.86,52.01 J9.8 ; 147.86,56.93 147.86,63.14 ; 147.86,56.93 147.85,56.94 146.58,56.94 ; 147.86,63.14 147.86,68.06 J11.8 ; 147.86,63.14 147.85,63.14 146.58,63.14
AIN4: length 49.4
  Top w0.3: J16.2 152.47,73.8 140.6,73.8 139.4,72.6 139.4,70.2 135.85,66.65 C4.1
  Bottom w0.3: J15.2 155.47,81.73 155.48,81.73 ; J16.2 155.48,76.81 155.48,81.73 ; 155.48,81.73 155.48,87.94 ; 155.48,87.94 155.48,92.86 J13.2 ; 155.48,87.94 155.47,87.94 154.2,87.94
AIN5: length 51.2
  Top w0.3: C5.1 134.63,68.43 136.8,70.6 136.8,77.4 139.4,80 149.93,80 J15.4
  Bottom w0.3: J16.4 152.94,76.81 152.94,81.73 ; 152.94,87.94 152.94,81.73 ; 152.94,87.94 152.94,92.86 J13.4 ; 152.94,87.94 152.93,87.94 151.66,87.94 ; 152.94,81.73 152.93,81.73 J15.4
AIN6: length 40.6
  Top w0.3: 149.12,87.94 147.38,86.2 143.4,86.2 141.65,84.45 C1.1
  Bottom w0.3: 150.4,81.73 150.39,81.73 J15.6 ; 150.4,81.73 150.4,87.94 ; 150.4,81.73 150.4,76.81 J16.6 ; 150.4,87.94 150.39,87.94 149.12,87.94 ; 150.4,87.94 150.4,92.86 J13.6
AIN7: length 40.5
  Top w0.3: C3.1 139.73,86.23 144.5,91 144.5,92.06 J13.8
  Bottom w0.3: 147.86,87.94 147.86,81.73 ; 147.86,87.94 147.86,92.86 J13.8 ; 147.86,87.94 147.85,87.94 146.58,87.94 ; 147.86,81.73 147.86,76.81 J16.8 ; 147.86,81.73 147.85,81.73 J15.8
AN0: length 10.9
  Top w0.3: J19.3 109.29,102.5 109.29,105.69 111.25,107.65 J4.24
AN1: length 16.6
  Top w0.3: J18.4 99.02,106.41 101,108.4 106.2,108.4 107.52,109.72 107.52,112.02 J4.21
AN2: length 16.6
  Top w0.3: J4.22 108.75,109.15 107,107.4 101.8,107.4 100.2,105.8 100.2,104.8 100.22,104.78 100.22,102.42 J18.3
AN3: length 10.9
  Top w0.3: J20.4 117.05,106.95 115,109 115,112 J4.25
AN4: length 10.9
  Top w0.3: J4.26 113.75,108.65 115.79,106.61 115.79,102.49 J20.3
AN5: length 16.3
  Top w0.3: J4.27 117.51,111.99 117.51,109.29 119.2,107.6 124,107.6 126.01,105.59 J23.4
AN6: length 16.3
  Top w0.3: J23.3 124.74,102.5 124.74,105.26 123.4,106.6 118.8,106.6 116.25,109.15 J4.28
AN7: length 10.8
  Top w0.3: J4.23 110,112 110,107.8 108.01,105.81 J19.4
CH1: length 18.3
  Top w0.3: J7.7 159.69,57.39 158.5,56.2 158.5,54.7 157.07,53.28 J9.7
CH2: length 15.9
  Top w0.3: J7.5 158.23,59.93 157.78,59.47 J10.7
CH3: length 17
  Top w0.3: J12.7 156.03,65.67 159.23,62.47 J7.3
CH4: length 20.6
  Top w0.3: J7.1 160.19,65.01 159,66.2 159,69.7 156.82,71.88 J11.7
CH5: length 18.3
  Top w0.3: J16.7 157.07,78.08 158.5,79.5 158.5,81 159.69,82.19 J8.7
CH6: length 15.9
  Top w0.3: J15.7 157.78,84.28 158.23,84.73 J8.5
CH7: length 17
  Top w0.3: J8.3 159.23,87.27 156.03,90.47 J14.7
CH8: length 20.6
  Top w0.3: J8.1 160.19,89.81 159,91 159,94.5 156.82,96.67 J13.7
COIN1: length 253.4
  Top w0.25: v1(151,24.46) 149.7,23.16 149.7,11.1 147.6,9 SW3.2 SW3.5 134.9,9 134,9.9 134,11.6 132.1,13.5 107.3,13.5 104.2,16.6 98.2,16.6 95.9,14.3 83.5,14.3 82.7,15.1 v1(82.7,16.9) ; J5.6 163.52,24.46 v1(155.9,24.46)
  Top w0.3: J4.5 90,112 90,107.8 87.4,105.2 87.4,82.4 78,73 62.9,73 49.3,59.4 49.3,42.8 54,38.1 61.8,38.1 66.9,33 78.61,33 78.81,32.8 v1(82.7,32.8)
  Bottom w0.25: v1(82.7,16.9) v1(82.7,32.8) ; v1(151,24.46) v1(155.9,24.46)
DE: length 129.4
  Top w0.25: 70.2,83 70.2,83.2 69.3,83.2 68.93,83.57 U2.2 ; 70.2,83 U2.3 ; 70.2,83 70.2,81.1 67.4,78.3 51.7,78.3 39.1,65.7 39.1,36 v1(39.4,35.7) ; U6.28 86.35,30.85 84.4,28.9 64.8,28.9 60,33.7 45.8,33.7 45.3,33.2 42,33.2 41.5,33.7 v1(41.5,35.7)
  Bottom w0.25: v1(39.4,35.7) v1(41.5,35.7)
ENTER: length 264.8
  Top w0.25: J5.2 163.2,32.4 161,32.4 159.9,31.3 156.2,31.3 154.5,29.6 154.5,26.9 153.6,26 153.6,25.3 150.7,22.4 150.7,10.7 144.9,4.9 134.8,4.9 133,6.7 133,11.2 131.7,12.5 123.5,12.5 120,9 SW5.2 SW5.5 105.6,9 105.1,9.5 95.1,9.5 91.3,13.3 82.9,13.3 81.3,14.9 v1(81.3,16.9)
  Top w0.3: J4.11 95,112 95,109.9 89.2,104.1 89.2,81.8 78.6,71.2 63.5,71.2 51.1,58.8 51.1,43.4 54.6,39.9 62.4,39.9 67.3,35 79.9,35 80.6,34.3 v1(81.3,34.3)
  Bottom w0.25: v1(81.3,16.9) v1(81.3,34.3)
MCU1: length 42.5
  Top w0.25: D9.2 60.6,46.1 62.3,44.4 84.9,44.4 85.75,43.55 85.75,41.57 86.7,40.62 86.7,32.6 87.45,31.85 U6.26
MCU2: length 37.3
  Top w0.25: U6.25 87.65,32.35 87.3,32.7 87.3,40.65 86.2,41.75 86.2,43.74 85.09,44.85 67.05,44.85 65.4,46.5 D8.2
MCU3: length 31.4
  Top w0.25: U6.24 90.05,38.54 86.65,41.94 86.65,43.92 85.27,45.3 71.5,45.3 70.2,46.6 D7.2
MCU4: length 26.8
  Top w0.25: D6.2 75,47.2 76.45,45.75 85.46,45.75 87.1,44.11 87.1,42.13 90.55,38.68 U6.23
MCU5: length 22.6
  Top w0.25: U6.22 91.03,33.79 91.03,38.84 87.55,42.31 87.55,44.3 85.65,46.2 80.7,46.2 79.8,47.1 D4.2
MCU6: length 18
  Top w0.25: U6.21 91.55,38.95 88,42.5 88,44.48 84.6,47.88 D3.2
MCU7: length 16.2
  Top w0.25: U6.20 92.05,39.09 89.4,41.74 D2.2
MCU8: length 15.7
  Top w0.25: U6.19 92.55,38.85 94.2,40.5 D1.2
O1: length 87.9
  Top w0.3: v1(93.9,99.1) 93.9,94.6 94.75,93.75 94.75,62.25 93.5,61 64.2,61 62.2,59 R22.1
  Bottom w0.3: J19.1 103.35,99.1 v1(93.9,99.1)
O2: length 76.7
  Top w0.3: J18.2 94.8,102.09 94.8,95 95.5,94.3 95.5,62 93.75,60.25 68.5,60.25 67,58.75 R21.1
O3: length 68.8
  Top w0.3: J18.1 96.47,95.47 96.25,95.25 96.25,61.75 94,59.5 73.55,59.5 71.8,57.75 R20.1
